# Altium PCB spd150.PcbDoc (part 2 of 16)
Units mm, origin at the board's own origin, x right, y up, seen from the top; angles counter-clockwise.
Board outline 217.35 x 147.5 mm, 10 copper layers (TOP, LYR2-PLN, LYR3-SIG, LYR4-SIG, LYR5-PLN, LYR6-PLN, LYR7-SIG, LYR8-SIG, LYR9-PLN, BOTTOM), stack 2.134 mm thick; 1065 components, 972 nets, 4226 pads, 2810 vias.
Unrouted connection lines stored in the file: 16.
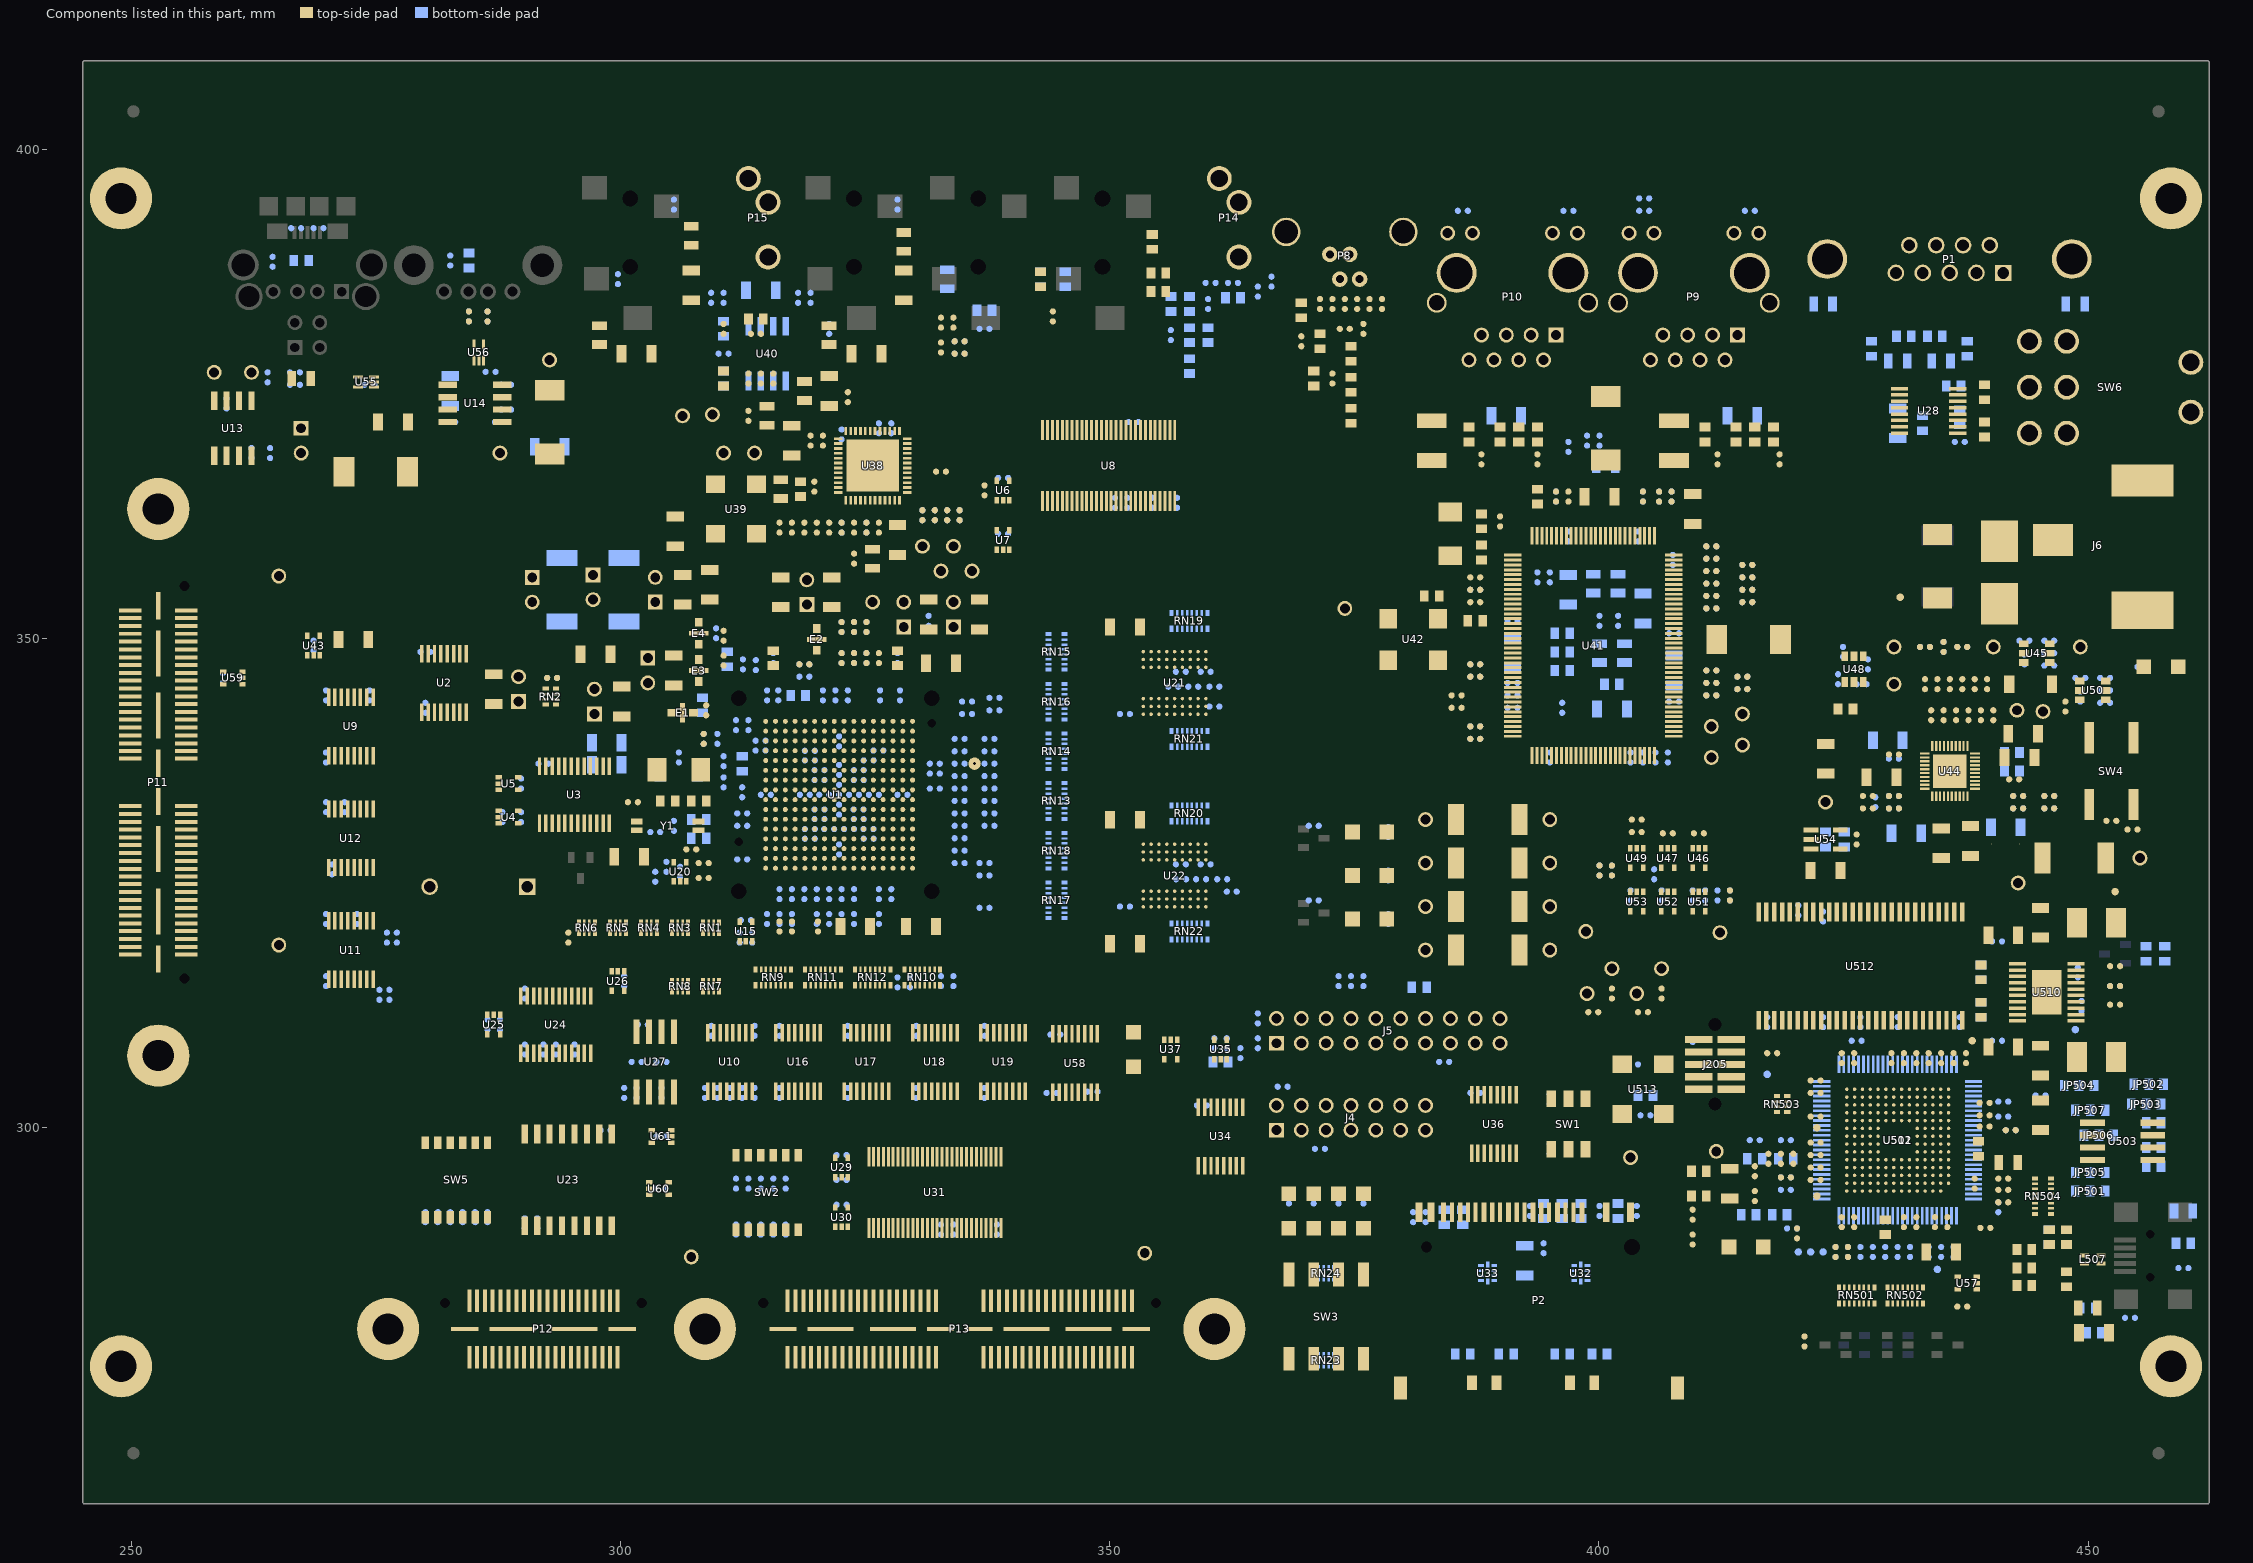
[diagram p10: the components of this part, seen from the top]

## Components (designator, comment, footprint, x,y, rotation, side; value= is the part's Value field where it differs from the comment) (continued)
R274 "RESISTOR_0_R402-25_NO-POP" R402-25#1 404.495,364.49 r90 top
R275 "RESISTOR_0_R402-25_2K" R402-25#1 411.48,358.14 r0 top
R276 "RESISTOR_0_R402-25_NO-POP" R402-25#1 415.163,357.505 r0 top
R277 "RESISTOR_0_R402-25_NO-POP" R402-25#1 411.48,356.87 r0 top
R278 "RESISTOR_0_R402-25_NO-POP" R402-25#1 415.163,356.235 r0 top
R279 "RESISTOR_0_R402-25_NO-POP" R402-25#1 411.48,354.33 r0 top
R280 "RESISTOR_0_R402-25_NO-POP" R402-25#1 414.655,346.075 r0 top
R281 "RESISTOR_0_R402-25_NO-POP" R402-25#1 411.48,345.44 r0 top
R282 "RESISTOR_0_R402-25_NO-POP" R402-25#1 414.655,344.805 r0 top
R283 "RESISTOR_0_R402-25_2K" R402-25#1 387.35,340.995 r180 top
R284 "RESISTOR_0_R402-25_NO-POP" R402-25#1 387.35,339.725 r180 top
R285 "RESISTOR_0_R402-25_NO-POP" R402-25#1 387.35,347.345 r180 top
R286 "RESISTOR_0_R402-25_2K" R402-25#1 387.35,346.075 r180 top
R287 "RESISTOR_0_R402-25_NO-POP" R402-25#1 415.163,353.695 r0 top
R288 "RESISTOR_0_R402-25_NO-POP" R402-25#1 411.48,359.41 r0 top
R289 "RESISTOR_0_R402-25_1K" R402-25#1 387.35,356.235 r0 top
R290 "R_R603-35X45_100" R603-35X45#1 401.32,345.313 r0 bottom
R291 "RESISTOR_0_R402-25_1K" R402-25#2 391.16,344.17 r180 bottom
R292 "RESISTOR_0_R402-25_10K" R402-25#2 396.24,342.9 r270 bottom
R293 "RESISTOR_0_R402-25_1K" R402-25#2 404.495,337.82 r270 bottom
R294 "RESISTOR_0_R402-25_NO-POP" R402-25#2 395.605,364.49 r90 bottom
R295 "RESISTOR_0_R402-25_NO-POP" R402-25#2 396.875,369.57 r90 bottom
R296 "RESISTOR_0_R402-25_NO-POP" R402-25#2 407.416,364.49 r90 bottom
R297 "RESISTOR_0_R402-25_NO-POP" R402-25#2 406.146,364.49 r90 bottom
R298 "RESISTOR_0_R402-25_NO-POP" R402-25#1 395.605,364.49 r90 top
R299 "RESISTOR_0_R402-25_NO-POP" R402-25#1 396.875,364.49 r90 top
R300 "RESISTOR_0_R402-25_NO-POP" R402-25#1 407.416,364.49 r90 top
R301 "RESISTOR_0_R402-25_NO-POP" R402-25#1 406.146,364.49 r90 top
R302 "RESISTOR_0_R402-25_1K" R402-25#2 405.765,337.82 r270 bottom
R303 "RESISTOR_0_R402-25_1K" R402-25#2 407.035,337.82 r270 bottom
R304 "RESISTOR_R603-35X45_49.9" R603-35X45#2 415.925,370.84 r270 top
R305 "RESISTOR_R603-35X45_49.9" R603-35X45#2 417.83,370.84 r270 top
R306 "RESISTOR_R603-35X45_49.9" R603-35X45#2 414.02,370.84 r90 top
R307 "RESISTOR_R603-35X45_49.9" R603-35X45#2 410.845,370.84 r90 top
R308 "RESISTOR_R603-35X45_49.9" R603-35X45#2 391.795,370.84 r270 top
R309 "RESISTOR_R603-35X45_49.9" R603-35X45#2 393.7,370.84 r270 top
R310 "RESISTOR_R603-35X45_49.9" R603-35X45#2 389.89,370.84 r90 top
R311 "RESISTOR_R603-35X45_49.9" R603-35X45#2 386.715,370.84 r90 top
R312 "R_2_R2512_0.025" R2512#2 388.62,322.58 r180 top
R313 "R_2_R2512_0.025" R2512#2 448.564,327.533 r0 top
R314 "R_0_R402-25_NO-POP" R402-25#1 430.149,338.125 r0 top
R315 "R_0_R402-25_1K" R402-25#2 430.149,337.693 r0 bottom
R316 "R_2_R2512_0.025" R2512#2 388.62,318.135 r180 top
R317 "R_0_R402-25_0" R402-25#1 430.149,333.883 r0 top
R318 "R_2_R2512_0.025" R2512#2 388.62,327.025 r0 top
R319 "R_0_R402-25_1K" R402-25#1 430.149,332.613 r0 top
R320 "R_0_R402-25_NO-POP" R402-25#1 427.482,333.883 r0 top
R321 "R_0_R402-25_NO-POP" R402-25#1 427.482,332.613 r0 top
R322 "R_0_R402-25_NO-POP" R402-25#2 428.244,333.248 r270 bottom
R323 "R_2_R2512_0.025" R2512#2 388.62,331.47 r0 top
R324 "R_0_R402-25_NO-POP" R402-25#2 430.149,332.613 r0 bottom
R325 "R_0_R402-25_10K" R402-25#1 433.959,342.138 r270 top
R326 "R_0_R402-25_10K" R402-25#1 433.324,345.313 r270 top
R327 "R_0_R402-25_2K" R402-25#1 438.404,345.313 r270 top
R328 "R_0_R402-25_47K" R402-25#1 437.134,345.313 r270 top
R329 "R_0_R402-25_10K" R402-25#1 435.864,345.313 r270 top
R330 "R_0_R402-25_NO-POP" R402-25#1 440.309,342.138 r90 top
R331 "R_0_R402-25_10K" R402-25#1 446.024,333.883 r180 top
R332 "R_0_R402-25_10K" R402-25#1 446.024,332.613 r180 top
R333 "R_R402-25_0" R402-25#1 385.445,344.17 r0 top
R334 "R_R402-25_NO-POP" R402-25#1 447.675,343.027 r90 top
R335 "R_R402-25_10K" R402-25#1 403.86,331.47 r180 top
R336 "R_0_R402-25_NO-POP" R402-25#2 446.024,333.883 r180 bottom
R337 "R_0_R402-25_NO-POP" R402-25#2 446.024,332.613 r180 bottom
R338 "R_0_R402-25_10K" R402-25#1 439.674,345.313 r270 top
R339 "R_0_R402-25_NO-POP" R402-25#1 442.849,332.613 r180 top
R340 "R_0_R402-25_NO-POP" R402-25#1 442.849,333.883 r180 top
R341 "R_0_R402-25_1K" R402-25#2 442.849,332.613 r180 bottom
R342 "R_0_R402-25_NO-POP" R402-25#1 439.039,342.138 r90 top
R343 "R_R402-25_0" R402-25#1 442.443,335.585 r0 top
R344 "R_0_R402-25_0" R402-25#2 442.849,333.883 r180 bottom
R345 "R_2_R402-25_33" R402-25#1 452.374,331.343 r180 top
R346 "R_2_R402-25_10K" R402-25#2 443.484,349.758 r180 bottom
R347 "R_R402-25_0" R402-25#2 446.024,349.758 r180 bottom
R348 "R_2_R402-25_10K 1%" R402-25#2 446.024,348.488 r180 bottom
R349 "R_2_R402-25_10K" R402-25#2 427.482,347.345 r90 bottom
R350 "R_R603-35X45_4.99K" R603-35X45#2 425.196,342.773 r0 top
R351 "R_2_R402-25_10K 1%" R402-25#2 424.942,348.615 r90 bottom
R352 "R_1_R402-25_33" R402-25#1 401.32,326.263 r270 top
R353 "R_2_R402-25_10K" R402-25#2 449.199,345.948 r180 bottom
R354 "R_1_R402-25_33" R402-25#2 401.32,326.263 r90 bottom
R355 "R_R402-25_20K" R402-25#2 451.739,345.948 r180 bottom
R356 "R_2_R402-25_10K 1%" R402-25#2 451.739,344.678 r180 bottom
R357 "R_1_R402-25_33" R402-25#1 400.05,326.263 r270 top
R358 "R_1_R402-25_33" R402-25#2 400.05,326.263 r90 bottom
R359 "R_R402-25_NO-POP" R402-25#2 433.324,349.123 r180 bottom
R360 "R_R402-25_NO-POP" R402-25#1 437.134,349.123 r180 top
R361 "R_R402-25_NO-POP" R402-25#1 435.229,349.123 r270 top
R362 "R_R402-25_NO-POP" R402-25#2 437.134,349.123 r0 bottom
R363 "R_2_R402-25_2.2K" R402-25#2 412.115,323.723 r90 bottom
R364 "R_R402-25_NO-POP" R402-25#2 435.229,349.123 r90 bottom
R365 "R_R402-25_NO-POP" R402-25#1 433.324,349.123 r0 top
R366 "R_2_R2512_NO-POP" R2512#1 440.944,356.743 r90 bottom
R367 "R_0_R402-25_360" R402-25#2 378.46,330.2 r90 bottom
R368 "R_R402-25_220" R402-25#2 455.549,347.091 r0 bottom
R369 "R_0_R402-25_1K" R402-25#2 370.84,330.835 r0 bottom
R370 "R_0_R402-25_360" R402-25#2 378.46,325.755 r90 bottom
R371 "R_0_R402-25_1K" R402-25#2 370.84,323.215 r0 bottom
R372 "R_R603-35X45_15K 1%" R603-35X45#1 425.069,329.438 r90 bottom
R373 "R_R603-35X45_220K 1%" R603-35X45#1 423.164,329.438 r270 bottom
R374 "R_R402-25_220" R402-25#2 378.46,321.31 r270 bottom
R375 "R_R402-25_24.9 1%" R402-25#1 284.48,382.905 r90 top
R376 "R_R402-25_100" R402-25#2 280.035,290.83 r90 bottom
R377 "R_R402-25_100" R402-25#2 281.305,290.83 r90 bottom
R378 "R_R402-25_100" R402-25#2 282.575,290.83 r90 bottom
R379 "R_R402-25_100" R402-25#2 283.845,290.83 r90 bottom
R380 "R_R402-25_0" R402-25#1 406.4,313.69 r270 top
R381 "R_R402-25_0" R402-25#1 399.415,311.785 r0 top
R382 "R_R402-25_0" R402-25#1 404.495,311.785 r0 top
R383 "R_R402-25_0" R402-25#1 401.32,313.69 r270 top
R384 "R_R402-25_2K" R402-25#2 344.043,303.53 r180 bottom
R385 "R_R402-25_100" R402-25#2 285.115,290.83 r90 bottom
R386 "R_R402-25_100" R402-25#2 286.385,290.83 r90 bottom
R387 "R_R402-25_10K" R402-25#1 454.533,330.454 r180 top
R388 "R_R402-25_0" R402-25#1 403.86,330.2 r180 top
R389 "R_R402-25_0" R402-25#1 385.445,342.9 r0 top
R390 "R_R402-25_0" R402-25#2 366.522,386.461 r270 bottom
R391 "R_R603-35X45_1M" R603-35X45#1 267.335,388.62 r180 bottom
R392 "R_R603-35X45_1M" R603-35X45#1 284.48,388.62 r270 bottom
R393 "R_R402-25_15K" R402-25#2 284.48,382.905 r270 bottom
R394 "R_R402-25_NO-POP" R402-25#2 316.103,344.17 r90 bottom
R395 "R_R402-25_NO-POP" R402-25#2 314.96,344.17 r90 bottom
R396 "R_R402-25_NO-POP" R402-25#2 303.53,325.628 r270 bottom
R504 "R_R603-35X45_24 1%" R603-35X45#2 446.024,288.798 r270 top
R508 "R_R603-35X45_24 1%" R603-35X45#2 443.484,285.623 r0 top
R511 "R_2_R402-25_220" R402-25#2 419.1,293.624 r0 bottom
R514 "R_R402-25_10K" R402-25#2 409.575,308.229 r90 bottom
R525 "R_R603-35X45_NO-POP" R603-35X45#1 419.1,296.799 r0 bottom
R527 "R_R603-35X45_33.2K 1%" R603-35X45#2 439.039,315.849 r270 top
R528 "R_R603-35X45_30.1K 1%" R603-35X45#1 439.039,315.849 r270 bottom
R534 "R_R603-35X45_300K" R603-35X45#1 449.961,281.559 r180 bottom
R535 "R_R603-35X45_680K" R603-35X45#1 450.596,279.019 r0 bottom
R536 "R_R603-35X45_1M" R603-35X45#2 447.802,284.48 r270 top
R537 "R_R603-35X45_1M" R603-35X45#2 447.802,288.798 r90 top
R538 "R_R603-35X45_1.5K 1%" R603-35X45#2 443.484,287.528 r0 top
R539 "R_R603-35X45_1M" R603-35X45#1 459.74,288.163 r0 bottom
R543 "R_R603-35X45_100" R603-35X45#2 429.26,289.814 r270 top
R545 "R_2_R402-25_100K" R402-25#1 418.592,296.799 r90 top
R548 "R_R603-35X45_9.09K 1%" R603-35X45#2 439.039,312.039 r90 top
R549 "R_R603-35X45_30.1K 1%" R603-35X45#1 439.039,312.039 r90 bottom
R550 "R_R402-25_100K" R402-25#2 452.755,314.452 r0 bottom
R551 "R_R402-25_100K" R402-25#2 449.326,312.42 r270 bottom
R552 "R_R402-25_2.2K" R402-25#2 413.639,308.991 r180 bottom
R553 "R_3_R402-25_10K" R402-25#2 448.945,315.849 r90 bottom
R554 "R_4_R603-35X45_1.5K 1%" R603-35X45#1 457.835,317.754 r270 bottom
R555 "R_4_R603-35X45_2.0K 1%" R603-35X45#1 455.93,317.754 r90 bottom
R557 "R_R402-25_100K" R402-25#1 452.755,314.452 r180 top
R590 "R_3_R402-25_10" R402-25#1 415.925,292.989 r90 top
R591 "R_R402-25_33" R402-25#1 436.245,307.086 r270 top
R592 "R_R402-25_33" R402-25#1 434.975,307.086 r270 top
R593 "R_R402-25_33" R402-25#1 433.705,307.086 r270 top
R594 "R_R402-25_33" R402-25#1 437.515,307.086 r270 top
R595 "R_R402-25_33" R402-25#1 442.087,299.72 r0 top
R597 "R_R402-25_100K" R402-25#2 419.735,289.687 r0 bottom
R598 "R_R402-25_100K" R402-25#1 420.243,289.179 r270 top
R599 "R_R402-25_10K" R402-25#2 415.925,298.704 r0 bottom
R600 "R_R402-25_100K" R402-25#1 424.18,287.274 r270 top
R601 "R_R402-25_100K" R402-25#2 425.45,287.274 r90 bottom
R602 "R_R402-25_100K" R402-25#2 436.245,287.274 r90 bottom
R603 "R_R402-25_10K" R402-25#2 434.975,287.274 r90 bottom
R604 "R_R402-25_33" R402-25#2 431.8,287.274 r90 bottom
R605 "R_R402-25_33" R402-25#2 426.72,287.274 r90 bottom
R606 "R_R402-25_33" R402-25#2 427.99,287.274 r90 bottom
R607 "R_R402-25_33" R402-25#2 430.53,287.274 r90 bottom
R608 "R_R402-25_33" R402-25#2 429.26,287.274 r90 bottom
R609 "R_R402-25_33" R402-25#2 424.18,287.274 r90 bottom
R610 "R_R402-25_33" R402-25#1 425.45,287.274 r270 top
R611 "R_2_R603-35X45_100" R603-35X45#1 418.465,291.084 r0 bottom
R612 "R_R402-25_10K" R402-25#2 440.817,291.846 r90 bottom
R613 "R_R402-25_10K" R402-25#2 430.53,310.769 r270 bottom
R614 "RESISTOR_1_R402-25_10K" R402-25#2 426.339,308.864 r180 bottom
R615 "RESISTOR_1_R402-25_10K" R402-25#2 441.325,302.641 r0 bottom
R616 "RESISTOR_1_R402-25_10K" R402-25#2 441.325,301.117 r0 bottom
R617 "R_R402-25_33" R402-25#2 403.479,306.451 r0 bottom
R618 "R_R603-35X45_100" R603-35X45#2 438.785,297.815 r270 top
R619 "R_R402-25_33" R402-25#1 419.1,294.894 r180 top
R620 "R_R402-25_33" R402-25#2 419.1,294.894 r0 bottom
R621 "R_R402-25_10K" R402-25#2 337.693,335.915 r0 bottom
R622 "R_R402-25_10K" R402-25#2 337.693,337.185 r0 bottom
R623 "R_R402-25_10K" R402-25#2 337.693,334.645 r0 bottom
R624 "R_R402-25_10K" R402-25#2 337.693,330.835 r0 bottom
R625 "R_R402-25_10K" R402-25#2 338.201,343.916 r0 bottom
R626 "R_R402-25_10K" R402-25#2 337.693,333.375 r0 bottom
R627 "R_R402-25_10K" R402-25#2 337.693,338.455 r0 bottom
R628 "R_R402-25_10K" R402-25#2 337.693,339.725 r0 bottom
R629 "R_R402-25_10K" R402-25#2 338.201,342.646 r0 bottom
R630 "R_R402-25_10K" R402-25#2 337.693,332.105 r0 bottom
RN1 "R-PAK4_0_RPAK8-10X25-28V_RPACK4" RPAK8-10X25-28V#1 309.253,320.421 r180 top
RN2 "R-PAK4_0_RPAK8-10X25-28V_RPACK4" RPAK8-10X25-28V#1 292.862,344.035 r90 top
RN3 "R-PAK4_0_RPAK8-10X25-28V_RPACK4" RPAK8-10X25-28V#1 306.078,320.421 r180 top
RN4 "R-PAK4_0_RPAK8-10X25-28V_RPACK4" RPAK8-10X25-28V#1 302.903,320.421 r180 top
RN5 "R-PAK4_0_RPAK8-10X25-28V_RPACK4" RPAK8-10X25-28V#1 299.728,320.421 r180 top
RN6 "R-PAK4_0_RPAK8-10X25-28V_RPACK4" RPAK8-10X25-28V#1 296.553,320.421 r180 top
RN7 "R-PAK4_0_RPAK8-10X25-28V_RPACK4" RPAK8-10X25-28V#1 309.253,314.452 r180 top
RN8 "R-PAK4_0_RPAK8-10X25-28V_RPACK4" RPAK8-10X25-28V#1 306.078,314.452 r180 top
RN9 "RESISTOR DIP 8_0_RPAK16-10X25-2" RPAK16-10X25-2HV#1 315.531,315.341 r180 top
RN10 "RESISTOR DIP 8_0_RPAK16-10X25-2" RPAK16-10X25-2HV#1 330.899,315.341 r0 top
RN11 "RESISTOR DIP 8_0_RPAK16-10X25-2" RPAK16-10X25-2HV#1 320.611,315.341 r180 top
RN12 "RESISTOR DIP 8_0_RPAK16-10X25-2" RPAK16-10X25-2HV#1 325.818,315.341 r0 top
RN13 "RESISTOR DIP 8_0_RPAK16-10X25_1" RPAK16-10X25-2HV#2 344.554,333.311 r90 bottom
RN14 "RESISTOR DIP 8_0_RPAK16-10X25-2" RPAK16-10X25-2HV#2 344.554,338.392 r90 bottom
RN15 "RESISTOR DIP 8_0_RPAK16-10X25_1" RPAK16-10X25-2HV#2 344.554,348.551 r90 bottom
RN16 "RESISTOR DIP 8_0_RPAK16-10X25-2" RPAK16-10X25-2HV#2 344.554,343.471 r90 bottom
RN17 "RESISTOR DIP 8_0_RPAK16-10X25_1" RPAK16-10X25-2HV#2 344.554,323.151 r90 bottom
RN18 "RESISTOR DIP 8_0_RPAK16-10X25_1" RPAK16-10X25-2HV#2 344.554,328.231 r90 bottom
RN19 "RESISTOR DIP 8_0_RPAK16-10X25_1" RPAK16-10X25-2HV#2 358.077,351.79 r0 bottom
RN20 "RESISTOR DIP 8_0_RPAK16-10X25_1" RPAK16-10X25-2HV#2 358.077,332.105 r0 bottom
RN21 "RESISTOR DIP 8_0_RPAK16-10X25_1" RPAK16-10X25-2HV#2 358.203,339.725 r180 bottom
RN22 "RESISTOR DIP 8_0_RPAK16-10X25_1" RPAK16-10X25-2HV#2 358.203,320.04 r180 bottom
RN23 "R-PAK4_RPAK8-10X25-28V_RPACK4-1" RPAK8-10X25-28V#2 372.102,276.225 r180 bottom
RN24 "R-PAK4_RPAK8-10X25-28V_RPACK4_1" RPAK8-10X25-28V#2 372.118,285.115 r0 bottom
RN501 "RN8_RPAK16-10X25-2HV_RN10K" RPAK16-10X25-2HV#1 426.402,282.829 r0 top
RN502 "RN8_RPAK16-10X25-2HV_RN10K" RPAK16-10X25-2HV#1 431.356,282.829 r0 top
RN503 "RESISTOR DIP 4_RPAK8-10X25-28V_" RPAK8-10X25-28V#1 418.719,302.395 r270 top
RN504 "RN8_RPAK16-10X25-2HV_10K" RPAK16-10X25-2HV#1 445.389,293.053 r90 top
SW1 "SW - DPDT 5.4X4.2 SLIDE CAS220A" SW6-40X67_GW 396.875,300.355 r0 top
SW2 "DIP_SWITCH_0_SW6-30X50-TDA_DIP_" SW6-30X50-TDA 314.96,293.37 r0 top
SW3 "SW DIP-4_0_SW4-44X96-CTS_LOW PR" SW4-44X96-CTS 372.11,280.67 r0 top
SW4 "EVQ-PLMA15_2_SW-40X126-EVQP1_PU" SW-40X126-EVQP1 452.374,336.423 r0 top
SW5 "DIP_SWITCH_0_SW6-30X50-TDA_DIP_" SW6-30X50-TDA 283.21,294.64 r0 top
SW6 "SWITCH_1_SW-7201-DPDT-10073_SWI" SW-7201-DPDT-10073 458.787,375.666 r270 top
TP1 "TEST POINT_1_TP1-6040_VBUS" TP1-6040 258.445,377.19 r0 top
TP2 "TEST POINT_1_TP1-6040_VBUS_OCN2" TP1-6040 262.255,377.19 r0 top
TP3 "TEST POINT_1_TP1-50X25_EMIFB_CL" TP1-50X25 336.169,337.185 r0 top
TP4 "TEST POINT_1_TP1-6040_VBUS" TP1-6040 292.735,378.46 r0 top
TP5 "TEST POINT_1_TP1-6040_VBUS_OCN1" TP1-6040 287.655,368.935 r0 top
TP6 "TEST POINT_TP1-6040_TEST POINT" TP1-6040 325.755,353.695 r0 top
TP7 "TEST POINT_TP1-6040_TEST POINT" TP1-6040 313.69,368.935 r0 top
TP8 "TEST POINT_TP1-6040_TEST POINT" TP1-6040 310.515,368.935 r0 top
TP9 "TEST POINT_TP1-6040_TEST POINT" TP1-6040 330.835,359.41 r0 top
TP10 "TEST POINT_TP1-6040_TEST POINT" TP1-6040 332.74,356.87 r0 top
TP11 "TEST POINT_TP1-6040_TEST POINT" TP1-6040 334.01,359.41 r0 top
TP12 "TEST POINT_TP1-6040_TEST POINT" TP1-6040 335.915,356.87 r0 top
TP13 "TEST POINT_TP1-6040_TEST POINT" TP1-6040 411.48,337.82 r0 top
TP14 "TEST POINT_TP1-6040_TEST POINT" TP1-6040 414.655,339.09 r0 top
TP15 "TEST POINT_TP1-6040_TEST POINT" TP1-6040 411.48,340.995 r0 top
TP16 "TEST POINT_TP1-6040_TEST POINT" TP1-6040 414.655,342.265 r0 top
TP17 "TEST POINT_0_TP1-6040_TP-60" TP1-6040 394.97,322.58 r0 top
TP18 "TEST POINT_0_TP1-6040_TP-60" TP1-6040 382.27,322.58 r0 top
TP19 "TEST POINT_0_TP1-6040_TP-60" TP1-6040 442.849,324.993 r0 top
TP20 "TEST POINT_0_TP1-6040_TP-60" TP1-6040 455.295,327.533 r0 top
TP21 "TEST POINT_0_TP1-6040_TP-60" TP1-6040 394.97,318.135 r0 top
TP22 "TEST POINT_0_TP1-6040_TP-60" TP1-6040 382.27,318.135 r0 top
TP23 "TEST POINT_0_TP1-6040_TP-60" TP1-6040 382.27,327.025 r90 top
TP24 "TEST POINT_0_TP1-6040_TP-60" TP1-6040 394.97,327.025 r90 top
TP25 "TEST POINT_0_TP1-6040_TP-60" TP1-6040 382.27,331.47 r0 top
TP26 "TEST POINT_0_TP1-6040_TP-60" TP1-6040 394.97,331.47 r0 top
TP27 "TEST POINT_0_TP1-6040_TP-60" TP1-6040 430.149,345.313 r0 top
TP28 "TEST POINT_0_TP1-6040_TP" TP1-6040 442.722,342.646 r0 top
TP29 "TEST POINT_0_TP1-6040_TP" TP1-6040 445.389,342.519 r0 top
TP30 "TESTPOINT1_TP1-6040_TESTPOINT1" TP1-6040 440.309,349.123 r270 top
TP31 "TESTPOINT1_TP1-6040_TESTPOINT1" TP1-6040 430.149,349.123 r180 top
TP32 "TESTPOINT1_TP1-6040_TESTPOINT1" TP1-6040 449.199,349.123 r270 top
TP33 "TEST POINT_0_TP30_TP-30" TP30 430.784,354.203 r0 top
TP34 "TEST POINT_1_TP1-6040_TP" TP1-6040 423.164,333.248 r270 top
TP35 "TEST POINT_TP1-6040_TP" TP1-6040 401.32,316.23 r0 top
TP36 "TEST POINT_TP1-6040_TP" TP1-6040 403.86,313.69 r0 top
TP37 "TEST POINT_TP1-6040_TP" TP1-6040 398.78,313.69 r0 top
TP38 "TEST POINT_TP1-6040_TP" TP1-6040 406.4,316.23 r0 top
TP39 "TEST POINT_TP1-6040_TEST POINT" TP1-6040 306.324,372.745 r0 top
TP40 "TEST POINT_TP1-6040_TEST POINT" TP1-6040 309.372,372.872 r0 top
TP41 "TEST POINT_TP1-6040_TP" TP1-6040 265.049,356.362 r0 top
TP42 "TEST POINT_TP1-6040_TP" TP1-6040 265.049,318.643 r0 top
TP43 "TEST POINT_TP1-6040_TP" TP1-6040 307.213,286.766 r0 top
TP44 "TEST POINT_TP1-6040_TP" TP1-6040 353.568,287.147 r0 top
TP45 "TEST POINT_TP1-6040_TP" TP1-6040 403.225,296.926 r0 top
TP46 "TEST POINT_TP1-6040_TP" TP1-6040 374.015,353.06 r0 top
TP47 "TP_0_TP1-6040_TP" TP1-6040 412.369,319.913 r0 top
TP48 "TP_0_TP1-6040_TP" TP1-6040 398.653,320.04 r0 top
TP507 "PIN_TP30_NO-POP" TP30 434.594,285.496 r180 bottom
TP508 "TP_0_TP30_NO-POP" TP30 438.15,308.864 r180 top
TP513 "TP_0_TP30_NO-POP" TP30 417.195,305.435 r270 bottom
TP514 "TP_0_TP30_NO-POP" TP30 422.275,299.974 r180 top
TP515 "TP_0_TP30_NO-POP" TP30 452.755,324.104 r180 top
TP516 "TP_0_TP30_NO-POP" TP30 448.691,310.007 r270 bottom
TP517 "PIN_TP1-6040_TEST" TP1-6040 411.988,297.561 r180 top
TP518 "PIN_TP30_NO-POP" TP30 421.64,287.274 r180 bottom
TP519 "PIN_TP30_NO-POP" TP30 422.91,287.274 r180 bottom
TP520 "PIN_TP30_NO-POP" TP30 422.275,292.989 r180 top
TP521 "PIN_TP30_NO-POP" TP30 420.37,287.274 r270 bottom
U1 "PRIMUS_BGA_1_SKT256-6064_OMAPL1" SKT256-6064 321.945,334.01 r0 top
U2 "SN74CBT3257PW_TSSOP16-14X70_SN7" TSSOP16-14X70 281.94,345.44 r0 top
U3 "SN74CBTD3384PW_PW24-14X70_SN74C" PW24-14X70 295.275,334.01 r0 top
U4 "1G32NEG_DCK-5_SN74LVC1G32DCKRG4" DCK-5 288.544,331.724 r270 top
U5 "1G00_0_DCK-5_SN74LVC1G00DCKRG4" DCK-5 288.544,335.153 r270 top
U6 "1G08_DCK-5_SN74LVC1G08DCKRG4" DCK-5 339.09,365.125 r0 top
U7 "1G02_0_DCK-5_SN74LVC1G02DCKR" DCK-5 339.09,360.045 r0 top
U8 "SN74CBT16212DGGR_DGG56-12X80_SN" DGG56-12X80 349.885,367.665 r0 top
U9 "SN74CBT3257PW_TSSOP16-14X70_SN7" TSSOP16-14X70 272.415,340.995 r0 top
U10 "SN74CBT3257PW_TSSOP16-14X70_SN7" TSSOP16-14X70 311.15,306.705 r0 top
U11 "SN74CBT3257PW_TSSOP16-14X70_SN7" TSSOP16-14X70 272.415,318.135 r0 top
U12 "74CBTLV253_0_TSSOP16-14X70_74CB" TSSOP16-14X70 272.415,329.565 r0 top
U13 "TPS2061_1_SO8-25X75_TPS2065D" SO8-25X75#1 260.35,371.475 r0 top
U14 "TPS2061_1_SO8-25X75_TPS2065D" SO8-25X75#1 285.115,374.015 r270 top
U15 "SN74LVC1G125_DCK-5_SN74CBTLV1G1" DCK-5 312.801,320.04 r0 top
U16 "SN74CBT3257PW_TSSOP16-14X70_SN7" TSSOP16-14X70 318.135,306.705 r0 top
U17 "SN74CBT3257PW_TSSOP16-14X70_SN7" TSSOP16-14X70 325.12,306.705 r0 top
U18 "SN74CBT3257PW_TSSOP16-14X70_SN7" TSSOP16-14X70 332.105,306.705 r0 top
U19 "74CBTLV253_0_TSSOP16-14X70_74CB" TSSOP16-14X70 339.09,306.705 r0 top
U20 "1G032_DCK-5_SN74LVC1G32" DCK-5 306.07,326.136 r0 top
U21 "IS42S16160B-6BL_0_BGA54-3X9-ISS" BGA54-3X9-ISSI 356.619,345.44 r270 top
U22 "IS42S16160B-6BL_0_BGA54-3X9-ISS" BGA54-3X9-ISSI 356.619,325.755 r270 top
U23 "SPI_EEPROM_0_SO16-25X75-300_W25" SO16-25X75-300 294.64,294.64 r0 top
U24 "SN74CBTD3384PW_PW24-14X70_SN74C" PW24-14X70 293.37,310.515 r0 top
U25 "1G32NEG_DCK-5_SN74LVC1G32DCKRG4" DCK-5 287.02,310.515 r180 top
U26 "1G00_0_DCK-5_SN74LVC1G00DCKRG4" DCK-5 299.72,314.96 r180 top
U27 "24WC256_SO8-25X75-295_24WC256" SO8-25X75-295 303.53,306.705 r0 top

## Text inside footprints (layer, text, board x,y; h text height)
R396: PIN_NUMBER "2" at 303.327,326.136 h0.51 r270; PIN_NUMBER "1" at 303.327,325.12 h0.51 r270; ASSEMBLY_BOTTOM "NO-POP" at 303.53,325.628 h0.64 r270; ASSEMBLY_BOTTOM "TOLERANCE" at 300.99,325.628 h0.64 r270; ASSEMBLY_BOTTOM "USERPART#" at 299.72,325.628 h0.64 r270; SYMBOL_PART_DIM "PAD 35X32 OV" at 298.755,322.504 h0.64 r270; SYMBOL_PART_DIM "C402-35X32" at 300.025,322.504 h0.64 r270; SYMBOL_PART_DIM "0" at 301.396,325.425 h0.64 r270; SYMBOL_PART_DIM "0" at 303.2,323.291 h0.64 r270
R504: PIN_NUMBER "1" at 445.618,289.56 h1.02 r270; PIN_NUMBER "2" at 445.618,288.036 h1.02 r270; ASSEMBLY_TOP "X" at 445.643,287.782 h1.02 r270; ASSEMBLY_TOP "X" at 445.643,288.671 h1.02 r270; ASSEMBLY_TOP "24 1%" at 445.643,289.433 h1.02 r270; SYMB_DIM "0" at 445.516,292.481 h1.02 r270; SYMB_DIM "0" at 442.468,289.306 h1.02 r270; SYMB_DIM "R603-35X45" at 450.85,294.132 h1.02 r270; SYMB_DIM "SP  35X45OV" at 444.627,284.099 h1.02 r270; SYMB_DIM "SM  43X53OV" at 446.405,284.099 h1.02 r270; SYMB_DIM "PAD 35X45OV" at 447.929,284.099 h1.02 r270
R508: PIN_NUMBER "1" at 442.316,285.623 h1.02; PIN_NUMBER "2" at 443.84,285.623 h1.02; ASSEMBLY_TOP "X" at 444.5,285.242 h1.02; ASSEMBLY_TOP "X" at 443.611,285.242 h1.02; ASSEMBLY_TOP "24 1%" at 442.849,285.242 h1.02; SYMB_DIM "0" at 439.801,285.115 h1.02; SYMB_DIM "0" at 442.976,282.067 h1.02; SYMB_DIM "R603-35X45" at 438.15,290.449 h1.02; SYMB_DIM "SP  35X45OV" at 448.183,284.226 h1.02; SYMB_DIM "SM  43X53OV" at 448.183,286.004 h1.02; SYMB_DIM "PAD 35X45OV" at 448.183,287.528 h1.02
R511: PIN_NUMBER "2" at 418.389,293.624 h0.51; PIN_NUMBER "1" at 419.405,293.624 h0.51; ASSEMBLY_BOTTOM "220" at 419.1,293.624 h0.64; ASSEMBLY_BOTTOM "TOLERANCE" at 419.1,291.084 h0.64; ASSEMBLY_BOTTOM "USERPART#" at 419.1,289.814 h0.64; SYMBOL_PART_DIM "PAD 35X32 OV" at 422.224,288.849 h0.64; SYMBOL_PART_DIM "C402-35X32" at 422.224,290.119 h0.64; SYMBOL_PART_DIM "0" at 419.303,291.49 h0.64; SYMBOL_PART_DIM "0" at 421.437,293.294 h0.64
R514: PIN_NUMBER "1" at 409.372,308.737 h0.51 r90; PIN_NUMBER "2" at 409.372,307.721 h0.51 r90; ASSEMBLY_BOTTOM "10K" at 409.575,308.229 h0.64 r90; ASSEMBLY_BOTTOM "TOLERANCE" at 412.115,308.229 h0.64 r90; ASSEMBLY_BOTTOM "USERPART#" at 413.385,308.229 h0.64 r90; SYMBOL_PART_DIM "PAD 35X32 OV" at 414.35,311.353 h0.64 r90; SYMBOL_PART_DIM "C402-35X32" at 413.08,311.353 h0.64 r90; SYMBOL_PART_DIM "0" at 411.709,308.432 h0.64 r90; SYMBOL_PART_DIM "0" at 409.905,310.566 h0.64 r90
R525: PIN_NUMBER "1" at 419.456,296.799 h1.02; PIN_NUMBER "2" at 417.932,296.799 h1.02; SYMB_DIM "0" at 422.783,296.291 h1.02; SYMB_DIM "0" at 419.608,293.243 h1.02; SYMB_DIM "R603-35X45" at 424.434,301.625 h1.02; SYMB_DIM "SP  35X45OV" at 414.401,295.402 h1.02; SYMB_DIM "SM  43X53OV" at 414.401,297.18 h1.02; SYMB_DIM "PAD 35X45OV" at 414.401,298.704 h1.02; ASSEMBLY_BOTTOM "X" at 418.084,296.418 h1.02; ASSEMBLY_BOTTOM "X" at 418.973,296.418 h1.02; ASSEMBLY_BOTTOM "NO-POP" at 419.735,296.418 h1.02
R527: PIN_NUMBER "1" at 438.633,316.611 h1.02 r270; PIN_NUMBER "2" at 438.633,315.087 h1.02 r270; ASSEMBLY_TOP "X" at 438.658,314.833 h1.02 r270; ASSEMBLY_TOP "X" at 438.658,315.722 h1.02 r270; ASSEMBLY_TOP "33.2K 1%" at 438.658,316.484 h1.02 r270; SYMB_DIM "0" at 438.531,319.532 h1.02 r270; SYMB_DIM "0" at 435.483,316.357 h1.02 r270; SYMB_DIM "R603-35X45" at 443.865,321.183 h1.02 r270; SYMB_DIM "SP  35X45OV" at 437.642,311.15 h1.02 r270; SYMB_DIM "SM  43X53OV" at 439.42,311.15 h1.02 r270; SYMB_DIM "PAD 35X45OV" at 440.944,311.15 h1.02 r270
R528: PIN_NUMBER "1" at 438.633,315.087 h1.02 r270; PIN_NUMBER "2" at 438.633,316.611 h1.02 r270; SYMB_DIM "0" at 438.531,312.166 h1.02 r270; SYMB_DIM "0" at 435.483,315.341 h1.02 r270; SYMB_DIM "R603-35X45" at 443.865,310.515 h1.02 r270; SYMB_DIM "SP  35X45OV" at 437.642,320.548 h1.02 r270; SYMB_DIM "SM  43X53OV" at 439.42,320.548 h1.02 r270; SYMB_DIM "PAD 35X45OV" at 440.944,320.548 h1.02 r270; ASSEMBLY_BOTTOM "X" at 438.658,316.865 h1.02 r270; ASSEMBLY_BOTTOM "X" at 438.658,315.976 h1.02 r270; ASSEMBLY_BOTTOM "30.1K 1%" at 438.658,315.214 h1.02 r270
R534: PIN_NUMBER "2" at 450.317,281.559 h1.02 r180; PIN_NUMBER "1" at 448.793,281.559 h1.02 r180; SYMB_DIM "0" at 446.278,282.067 h1.02 r180; SYMB_DIM "0" at 449.453,285.115 h1.02 r180; SYMB_DIM "R603-35X45" at 444.627,276.733 h1.02 r180; SYMB_DIM "SP  35X45OV" at 454.66,282.956 h1.02 r180; SYMB_DIM "SM  43X53OV" at 454.66,281.178 h1.02 r180; SYMB_DIM "PAD 35X45OV" at 454.66,279.654 h1.02 r180; ASSEMBLY_BOTTOM "X" at 450.977,281.94 h1.02 r180; ASSEMBLY_BOTTOM "X" at 450.088,281.94 h1.02 r180; ASSEMBLY_BOTTOM "300K" at 449.326,281.94 h1.02 r180
R535: PIN_NUMBER "1" at 450.952,279.019 h1.02; PIN_NUMBER "2" at 449.428,279.019 h1.02; SYMB_DIM "0" at 454.279,278.511 h1.02; SYMB_DIM "0" at 451.104,275.463 h1.02; SYMB_DIM "R603-35X45" at 455.93,283.845 h1.02; SYMB_DIM "SP  35X45OV" at 445.897,277.622 h1.02; SYMB_DIM "SM  43X53OV" at 445.897,279.4 h1.02; SYMB_DIM "PAD 35X45OV" at 445.897,280.924 h1.02; ASSEMBLY_BOTTOM "X" at 449.58,278.638 h1.02; ASSEMBLY_BOTTOM "X" at 450.469,278.638 h1.02; ASSEMBLY_BOTTOM "680K" at 451.231,278.638 h1.02
R536: PIN_NUMBER "1" at 447.396,285.242 h1.02 r270; PIN_NUMBER "2" at 447.396,283.718 h1.02 r270; ASSEMBLY_TOP "X" at 447.421,283.464 h1.02 r270; ASSEMBLY_TOP "X" at 447.421,284.353 h1.02 r270; ASSEMBLY_TOP "1M" at 447.421,285.115 h1.02 r270; SYMB_DIM "0" at 447.294,288.163 h1.02 r270; SYMB_DIM "0" at 444.246,284.988 h1.02 r270; SYMB_DIM "R603-35X45" at 452.628,289.814 h1.02 r270; SYMB_DIM "SP  35X45OV" at 446.405,279.781 h1.02 r270; SYMB_DIM "SM  43X53OV" at 448.183,279.781 h1.02 r270; SYMB_DIM "PAD 35X45OV" at 449.707,279.781 h1.02 r270
R537: PIN_NUMBER "1" at 447.396,288.036 h1.02 r90; PIN_NUMBER "2" at 447.396,289.56 h1.02 r90; ASSEMBLY_TOP "X" at 448.183,289.814 h1.02 r90; ASSEMBLY_TOP "X" at 448.183,288.925 h1.02 r90; ASSEMBLY_TOP "1M" at 448.183,288.163 h1.02 r90; SYMB_DIM "0" at 448.31,285.115 h1.02 r90; SYMB_DIM "0" at 451.358,288.29 h1.02 r90; SYMB_DIM "R603-35X45" at 442.976,283.464 h1.02 r90; SYMB_DIM "SP  35X45OV" at 449.199,293.497 h1.02 r90; SYMB_DIM "SM  43X53OV" at 447.421,293.497 h1.02 r90; SYMB_DIM "PAD 35X45OV" at 445.897,293.497 h1.02 r90
R538: PIN_NUMBER "1" at 442.316,287.528 h1.02; PIN_NUMBER "2" at 443.84,287.528 h1.02; ASSEMBLY_TOP "X" at 444.5,287.147 h1.02; ASSEMBLY_TOP "X" at 443.611,287.147 h1.02; ASSEMBLY_TOP "1.5K 1%" at 442.849,287.147 h1.02; SYMB_DIM "0" at 439.801,287.02 h1.02; SYMB_DIM "0" at 442.976,283.972 h1.02; SYMB_DIM "R603-35X45" at 438.15,292.354 h1.02; SYMB_DIM "SP  35X45OV" at 448.183,286.131 h1.02; SYMB_DIM "SM  43X53OV" at 448.183,287.909 h1.02; SYMB_DIM "PAD 35X45OV" at 448.183,289.433 h1.02
R539: PIN_NUMBER "1" at 460.096,288.163 h1.02; PIN_NUMBER "2" at 458.572,288.163 h1.02; SYMB_DIM "0" at 463.423,287.655 h1.02; SYMB_DIM "0" at 460.248,284.607 h1.02; SYMB_DIM "R603-35X45" at 465.074,292.989 h1.02; SYMB_DIM "SP  35X45OV" at 455.041,286.766 h1.02; SYMB_DIM "SM  43X53OV" at 455.041,288.544 h1.02; SYMB_DIM "PAD 35X45OV" at 455.041,290.068 h1.02; ASSEMBLY_BOTTOM "X" at 458.724,287.782 h1.02; ASSEMBLY_BOTTOM "X" at 459.613,287.782 h1.02; ASSEMBLY_BOTTOM "1M" at 460.375,287.782 h1.02
R543: PIN_NUMBER "2" at 428.854,289.052 h1.02 r270; PIN_NUMBER "1" at 428.854,290.576 h1.02 r270; ASSEMBLY_TOP "X" at 428.879,288.798 h1.02 r270; ASSEMBLY_TOP "X" at 428.879,289.687 h1.02 r270; ASSEMBLY_TOP "100" at 428.879,290.449 h1.02 r270; SYMB_DIM "0" at 428.752,293.497 h1.02 r270; SYMB_DIM "0" at 425.704,290.322 h1.02 r270; SYMB_DIM "R603-35X45" at 434.086,295.148 h1.02 r270; SYMB_DIM "SP  35X45OV" at 427.863,285.115 h1.02 r270; SYMB_DIM "SM  43X53OV" at 429.641,285.115 h1.02 r270; SYMB_DIM "PAD 35X45OV" at 431.165,285.115 h1.02 r270
R545: PIN_NUMBER "1" at 418.389,296.291 h0.51 r90; PIN_NUMBER "2" at 418.389,297.307 h0.51 r90; ASSEMBLY_TOP "100K" at 418.592,296.799 h0.64 r90; ASSEMBLY_TOP "TOLERANCE" at 421.132,296.799 h0.64 r90; ASSEMBLY_TOP "USERPART#" at 422.402,296.799 h0.64 r90; SYMBOL_PART_DIM "PAD 35X32 OV" at 423.367,293.675 h0.64 r90; SYMBOL_PART_DIM "C402-35X32" at 422.097,293.675 h0.64 r90; SYMBOL_PART_DIM "0" at 420.726,296.596 h0.64 r90; SYMBOL_PART_DIM "0" at 418.922,294.462 h0.64 r90
R548: PIN_NUMBER "1" at 438.633,311.277 h1.02 r90; PIN_NUMBER "2" at 438.633,312.801 h1.02 r90; ASSEMBLY_TOP "X" at 439.42,313.055 h1.02 r90; ASSEMBLY_TOP "X" at 439.42,312.166 h1.02 r90; ASSEMBLY_TOP "9.09K 1%" at 439.42,311.404 h1.02 r90; SYMB_DIM "0" at 439.547,308.356 h1.02 r90; SYMB_DIM "0" at 442.595,311.531 h1.02 r90; SYMB_DIM "R603-35X45" at 434.213,306.705 h1.02 r90; SYMB_DIM "SP  35X45OV" at 440.436,316.738 h1.02 r90; SYMB_DIM "SM  43X53OV" at 438.658,316.738 h1.02 r90; SYMB_DIM "PAD 35X45OV" at 437.134,316.738 h1.02 r90
R549: PIN_NUMBER "1" at 438.633,312.801 h1.02 r90; PIN_NUMBER "2" at 438.633,311.277 h1.02 r90; SYMB_DIM "0" at 439.547,315.722 h1.02 r90; SYMB_DIM "0" at 442.595,312.547 h1.02 r90; SYMB_DIM "R603-35X45" at 434.213,317.373 h1.02 r90; SYMB_DIM "SP  35X45OV" at 440.436,307.34 h1.02 r90; SYMB_DIM "SM  43X53OV" at 438.658,307.34 h1.02 r90; SYMB_DIM "PAD 35X45OV" at 437.134,307.34 h1.02 r90; ASSEMBLY_BOTTOM "X" at 439.42,311.023 h1.02 r90; ASSEMBLY_BOTTOM "X" at 439.42,311.912 h1.02 r90; ASSEMBLY_BOTTOM "30.1K 1%" at 439.42,312.674 h1.02 r90
R550: PIN_NUMBER "1" at 453.06,314.452 h0.51; PIN_NUMBER "2" at 452.044,314.452 h0.51; ASSEMBLY_BOTTOM "100K" at 452.755,314.452 h0.64; ASSEMBLY_BOTTOM "TOLERANCE" at 452.755,311.912 h0.64; ASSEMBLY_BOTTOM "USERPART#" at 452.755,310.642 h0.64; SYMBOL_PART_DIM "PAD 35X32 OV" at 455.879,309.677 h0.64; SYMBOL_PART_DIM "C402-35X32" at 455.879,310.947 h0.64; SYMBOL_PART_DIM "0" at 452.958,312.318 h0.64; SYMBOL_PART_DIM "0" at 455.092,314.122 h0.64
R551: PIN_NUMBER "1" at 449.123,311.912 h0.51 r270; PIN_NUMBER "2" at 449.123,312.928 h0.51 r270; ASSEMBLY_BOTTOM "100K" at 449.326,312.42 h0.64 r270; ASSEMBLY_BOTTOM "TOLERANCE" at 446.786,312.42 h0.64 r270; ASSEMBLY_BOTTOM "USERPART#" at 445.516,312.42 h0.64 r270; SYMBOL_PART_DIM "PAD 35X32 OV" at 444.551,309.296 h0.64 r270; SYMBOL_PART_DIM "C402-35X32" at 445.821,309.296 h0.64 r270; SYMBOL_PART_DIM "0" at 447.192,312.217 h0.64 r270; SYMBOL_PART_DIM "0" at 448.996,310.083 h0.64 r270
R552: PIN_NUMBER "2" at 413.944,308.991 h0.51 r180; PIN_NUMBER "1" at 412.928,308.991 h0.51 r180; ASSEMBLY_BOTTOM "2.2K" at 413.639,308.991 h0.64 r180; ASSEMBLY_BOTTOM "TOLERANCE" at 413.639,311.531 h0.64 r180; ASSEMBLY_BOTTOM "USERPART#" at 413.639,312.801 h0.64 r180; SYMBOL_PART_DIM "PAD 35X32 OV" at 410.515,313.766 h0.64 r180; SYMBOL_PART_DIM "C402-35X32" at 410.515,312.496 h0.64 r180; SYMBOL_PART_DIM "0" at 413.436,311.125 h0.64 r180; SYMBOL_PART_DIM "0" at 411.302,309.321 h0.64 r180
R553: PIN_NUMBER "2" at 448.742,315.341 h0.51 r90; PIN_NUMBER "1" at 448.742,316.357 h0.51 r90; ASSEMBLY_BOTTOM "10K" at 448.945,315.849 h0.64 r90; ASSEMBLY_BOTTOM "TOLERANCE" at 451.485,315.849 h0.64 r90; ASSEMBLY_BOTTOM "USERPART#" at 452.755,315.849 h0.64 r90; SYMBOL_PART_DIM "PAD 35X32 OV" at 453.72,318.973 h0.64 r90; SYMBOL_PART_DIM "C402-35X32" at 452.45,318.973 h0.64 r90; SYMBOL_PART_DIM "0" at 451.079,316.052 h0.64 r90; SYMBOL_PART_DIM "0" at 449.275,318.186 h0.64 r90
R554: PIN_NUMBER "1" at 457.429,316.992 h1.02 r270; PIN_NUMBER "2" at 457.429,318.516 h1.02 r270; SYMB_DIM "0" at 457.327,314.071 h1.02 r270; SYMB_DIM "0" at 454.279,317.246 h1.02 r270; SYMB_DIM "R603-35X45" at 462.661,312.42 h1.02 r270; SYMB_DIM "SP  35X45OV" at 456.438,322.453 h1.02 r270; SYMB_DIM "SM  43X53OV" at 458.216,322.453 h1.02 r270; SYMB_DIM "PAD 35X45OV" at 459.74,322.453 h1.02 r270; ASSEMBLY_BOTTOM "X" at 457.454,318.77 h1.02 r270; ASSEMBLY_BOTTOM "X" at 457.454,317.881 h1.02 r270; ASSEMBLY_BOTTOM "1.5K 1%" at 457.454,317.119 h1.02 r270
R555: PIN_NUMBER "1" at 455.524,318.516 h1.02 r90; PIN_NUMBER "2" at 455.524,316.992 h1.02 r90; SYMB_DIM "0" at 456.438,321.437 h1.02 r90; SYMB_DIM "0" at 459.486,318.262 h1.02 r90; SYMB_DIM "R603-35X45" at 451.104,323.088 h1.02 r90; SYMB_DIM "SP  35X45OV" at 457.327,313.055 h1.02 r90; SYMB_DIM "SM  43X53OV" at 455.549,313.055 h1.02 r90; SYMB_DIM "PAD 35X45OV" at 454.025,313.055 h1.02 r90; ASSEMBLY_BOTTOM "X" at 456.311,316.738 h1.02 r90; ASSEMBLY_BOTTOM "X" at 456.311,317.627 h1.02 r90; ASSEMBLY_BOTTOM "2.0K 1%" at 456.311,318.389 h1.02 r90
R557: PIN_NUMBER "1" at 453.06,314.452 h0.51 r180; PIN_NUMBER "2" at 452.044,314.452 h0.51 r180; ASSEMBLY_TOP "100K" at 452.755,314.452 h0.64 r180; ASSEMBLY_TOP "TOLERANCE" at 452.755,316.992 h0.64 r180; ASSEMBLY_TOP "USERPART#" at 452.755,318.262 h0.64 r180; SYMBOL_PART_DIM "PAD 35X32 OV" at 455.879,319.227 h0.64 r180; SYMBOL_PART_DIM "C402-35X32" at 455.879,317.957 h0.64 r180; SYMBOL_PART_DIM "0" at 452.958,316.586 h0.64 r180; SYMBOL_PART_DIM "0" at 455.092,314.782 h0.64 r180
R590: PIN_NUMBER "2" at 415.722,293.497 h0.51 r90; PIN_NUMBER "1" at 415.722,292.481 h0.51 r90; ASSEMBLY_TOP "10" at 415.925,292.989 h0.64 r90; ASSEMBLY_TOP "TOLERANCE" at 418.465,292.989 h0.64 r90; ASSEMBLY_TOP "USERPART#" at 419.735,292.989 h0.64 r90; SYMBOL_PART_DIM "PAD 35X32 OV" at 420.7,289.865 h0.64 r90; SYMBOL_PART_DIM "C402-35X32" at 419.43,289.865 h0.64 r90; SYMBOL_PART_DIM "0" at 418.059,292.786 h0.64 r90; SYMBOL_PART_DIM "0" at 416.255,290.652 h0.64 r90
R591: PIN_NUMBER "2" at 436.042,306.578 h0.51 r270; PIN_NUMBER "1" at 436.042,307.594 h0.51 r270; ASSEMBLY_TOP "33" at 436.245,307.086 h0.64 r270; ASSEMBLY_TOP "TOLERANCE" at 433.705,307.086 h0.64 r270; ASSEMBLY_TOP "USERPART#" at 432.435,307.086 h0.64 r270; SYMBOL_PART_DIM "PAD 35X32 OV" at 431.47,310.21 h0.64 r270; SYMBOL_PART_DIM "C402-35X32" at 432.74,310.21 h0.64 r270; SYMBOL_PART_DIM "0" at 434.111,307.289 h0.64 r270; SYMBOL_PART_DIM "0" at 435.915,309.423 h0.64 r270
R592: PIN_NUMBER "1" at 434.772,307.594 h0.51 r270; PIN_NUMBER "2" at 434.772,306.578 h0.51 r270; ASSEMBLY_TOP "33" at 434.975,307.086 h0.64 r270; ASSEMBLY_TOP "TOLERANCE" at 432.435,307.086 h0.64 r270; ASSEMBLY_TOP "USERPART#" at 431.165,307.086 h0.64 r270; SYMBOL_PART_DIM "PAD 35X32 OV" at 430.2,310.21 h0.64 r270; SYMBOL_PART_DIM "C402-35X32" at 431.47,310.21 h0.64 r270; SYMBOL_PART_DIM "0" at 432.841,307.289 h0.64 r270; SYMBOL_PART_DIM "0" at 434.645,309.423 h0.64 r270
R593: PIN_NUMBER "1" at 433.502,307.594 h0.51 r270; PIN_NUMBER "2" at 433.502,306.578 h0.51 r270; ASSEMBLY_TOP "33" at 433.705,307.086 h0.64 r270; ASSEMBLY_TOP "TOLERANCE" at 431.165,307.086 h0.64 r270; ASSEMBLY_TOP "USERPART#" at 429.895,307.086 h0.64 r270; SYMBOL_PART_DIM "PAD 35X32 OV" at 428.93,310.21 h0.64 r270; SYMBOL_PART_DIM "C402-35X32" at 430.2,310.21 h0.64 r270; SYMBOL_PART_DIM "0" at 431.571,307.289 h0.64 r270; SYMBOL_PART_DIM "0" at 433.375,309.423 h0.64 r270
R594: PIN_NUMBER "2" at 437.312,306.578 h0.51 r270; PIN_NUMBER "1" at 437.312,307.594 h0.51 r270; ASSEMBLY_TOP "33" at 437.515,307.086 h0.64 r270; ASSEMBLY_TOP "TOLERANCE" at 434.975,307.086 h0.64 r270; ASSEMBLY_TOP "USERPART#" at 433.705,307.086 h0.64 r270; SYMBOL_PART_DIM "PAD 35X32 OV" at 432.74,310.21 h0.64 r270; SYMBOL_PART_DIM "C402-35X32" at 434.01,310.21 h0.64 r270; SYMBOL_PART_DIM "0" at 435.381,307.289 h0.64 r270; SYMBOL_PART_DIM "0" at 437.185,309.423 h0.64 r270
R595: PIN_NUMBER "1" at 441.376,299.72 h0.51; PIN_NUMBER "2" at 442.392,299.72 h0.51; ASSEMBLY_TOP "33" at 442.087,299.72 h0.64; ASSEMBLY_TOP "TOLERANCE" at 442.087,297.18 h0.64; ASSEMBLY_TOP "USERPART#" at 442.087,295.91 h0.64; SYMBOL_PART_DIM "PAD 35X32 OV" at 438.963,294.945 h0.64; SYMBOL_PART_DIM "C402-35X32" at 438.963,296.215 h0.64; SYMBOL_PART_DIM "0" at 441.884,297.586 h0.64; SYMBOL_PART_DIM "0" at 439.75,299.39 h0.64
R597: PIN_NUMBER "2" at 419.024,289.687 h0.51; PIN_NUMBER "1" at 420.04,289.687 h0.51; ASSEMBLY_BOTTOM "100K" at 419.735,289.687 h0.64; ASSEMBLY_BOTTOM "TOLERANCE" at 419.735,287.147 h0.64; ASSEMBLY_BOTTOM "USERPART#" at 419.735,285.877 h0.64; SYMBOL_PART_DIM "PAD 35X32 OV" at 422.859,284.912 h0.64; SYMBOL_PART_DIM "C402-35X32" at 422.859,286.182 h0.64; SYMBOL_PART_DIM "0" at 419.938,287.553 h0.64; SYMBOL_PART_DIM "0" at 422.072,289.357 h0.64
R598: PIN_NUMBER "2" at 420.04,288.671 h0.51 r270; PIN_NUMBER "1" at 420.04,289.687 h0.51 r270; ASSEMBLY_TOP "100K" at 420.243,289.179 h0.64 r270; ASSEMBLY_TOP "TOLERANCE" at 417.703,289.179 h0.64 r270; ASSEMBLY_TOP "USERPART#" at 416.433,289.179 h0.64 r270; SYMBOL_PART_DIM "PAD 35X32 OV" at 415.468,292.303 h0.64 r270; SYMBOL_PART_DIM "C402-35X32" at 416.738,292.303 h0.64 r270; SYMBOL_PART_DIM "0" at 418.109,289.382 h0.64 r270; SYMBOL_PART_DIM "0" at 419.913,291.516 h0.64 r270
R599: PIN_NUMBER "1" at 416.23,298.704 h0.51; PIN_NUMBER "2" at 415.214,298.704 h0.51; ASSEMBLY_BOTTOM "10K" at 415.925,298.704 h0.64; ASSEMBLY_BOTTOM "TOLERANCE" at 415.925,296.164 h0.64; ASSEMBLY_BOTTOM "USERPART#" at 415.925,294.894 h0.64; SYMBOL_PART_DIM "PAD 35X32 OV" at 419.049,293.929 h0.64; SYMBOL_PART_DIM "C402-35X32" at 419.049,295.199 h0.64; SYMBOL_PART_DIM "0" at 416.128,296.57 h0.64; SYMBOL_PART_DIM "0" at 418.262,298.374 h0.64
R600: PIN_NUMBER "2" at 423.977,286.766 h0.51 r270; PIN_NUMBER "1" at 423.977,287.782 h0.51 r270; ASSEMBLY_TOP "100K" at 424.18,287.274 h0.64 r270; ASSEMBLY_TOP "TOLERANCE" at 421.64,287.274 h0.64 r270; ASSEMBLY_TOP "USERPART#" at 420.37,287.274 h0.64 r270; SYMBOL_PART_DIM "PAD 35X32 OV" at 419.405,290.398 h0.64 r270; SYMBOL_PART_DIM "C402-35X32" at 420.675,290.398 h0.64 r270; SYMBOL_PART_DIM "0" at 422.046,287.477 h0.64 r270; SYMBOL_PART_DIM "0" at 423.85,289.611 h0.64 r270
R601: PIN_NUMBER "2" at 425.247,286.766 h0.51 r90; PIN_NUMBER "1" at 425.247,287.782 h0.51 r90; ASSEMBLY_BOTTOM "100K" at 425.45,287.274 h0.64 r90; ASSEMBLY_BOTTOM "TOLERANCE" at 427.99,287.274 h0.64 r90; ASSEMBLY_BOTTOM "USERPART#" at 429.26,287.274 h0.64 r90; SYMBOL_PART_DIM "PAD 35X32 OV" at 430.225,290.398 h0.64 r90; SYMBOL_PART_DIM "C402-35X32" at 428.955,290.398 h0.64 r90; SYMBOL_PART_DIM "0" at 427.584,287.477 h0.64 r90; SYMBOL_PART_DIM "0" at 425.78,289.611 h0.64 r90
R602: PIN_NUMBER "2" at 436.042,286.766 h0.51 r90; PIN_NUMBER "1" at 436.042,287.782 h0.51 r90; ASSEMBLY_BOTTOM "100K" at 436.245,287.274 h0.64 r90; ASSEMBLY_BOTTOM "TOLERANCE" at 438.785,287.274 h0.64 r90; ASSEMBLY_BOTTOM "USERPART#" at 440.055,287.274 h0.64 r90; SYMBOL_PART_DIM "PAD 35X32 OV" at 441.02,290.398 h0.64 r90; SYMBOL_PART_DIM "C402-35X32" at 439.75,290.398 h0.64 r90; SYMBOL_PART_DIM "0" at 438.379,287.477 h0.64 r90; SYMBOL_PART_DIM "0" at 436.575,289.611 h0.64 r90
R603: PIN_NUMBER "1" at 434.772,287.782 h0.51 r90; PIN_NUMBER "2" at 434.772,286.766 h0.51 r90; ASSEMBLY_BOTTOM "10K" at 434.975,287.274 h0.64 r90; ASSEMBLY_BOTTOM "TOLERANCE" at 437.515,287.274 h0.64 r90; ASSEMBLY_BOTTOM "USERPART#" at 438.785,287.274 h0.64 r90; SYMBOL_PART_DIM "PAD 35X32 OV" at 439.75,290.398 h0.64 r90; SYMBOL_PART_DIM "C402-35X32" at 438.48,290.398 h0.64 r90; SYMBOL_PART_DIM "0" at 437.109,287.477 h0.64 r90; SYMBOL_PART_DIM "0" at 435.305,289.611 h0.64 r90
R604: PIN_NUMBER "2" at 431.597,286.766 h0.51 r90; PIN_NUMBER "1" at 431.597,287.782 h0.51 r90; ASSEMBLY_BOTTOM "33" at 431.8,287.274 h0.64 r90; ASSEMBLY_BOTTOM "TOLERANCE" at 434.34,287.274 h0.64 r90; ASSEMBLY_BOTTOM "USERPART#" at 435.61,287.274 h0.64 r90; SYMBOL_PART_DIM "PAD 35X32 OV" at 436.575,290.398 h0.64 r90; SYMBOL_PART_DIM "C402-35X32" at 435.305,290.398 h0.64 r90; SYMBOL_PART_DIM "0" at 433.934,287.477 h0.64 r90; SYMBOL_PART_DIM "0" at 432.13,289.611 h0.64 r90
R605: PIN_NUMBER "2" at 426.517,286.766 h0.51 r90; PIN_NUMBER "1" at 426.517,287.782 h0.51 r90; ASSEMBLY_BOTTOM "33" at 426.72,287.274 h0.64 r90; ASSEMBLY_BOTTOM "TOLERANCE" at 429.26,287.274 h0.64 r90; ASSEMBLY_BOTTOM "USERPART#" at 430.53,287.274 h0.64 r90; SYMBOL_PART_DIM "PAD 35X32 OV" at 431.495,290.398 h0.64 r90; SYMBOL_PART_DIM "C402-35X32" at 430.225,290.398 h0.64 r90; SYMBOL_PART_DIM "0" at 428.854,287.477 h0.64 r90; SYMBOL_PART_DIM "0" at 427.05,289.611 h0.64 r90
R606: PIN_NUMBER "2" at 427.787,286.766 h0.51 r90; PIN_NUMBER "1" at 427.787,287.782 h0.51 r90; ASSEMBLY_BOTTOM "33" at 427.99,287.274 h0.64 r90; ASSEMBLY_BOTTOM "TOLERANCE" at 430.53,287.274 h0.64 r90; ASSEMBLY_BOTTOM "USERPART#" at 431.8,287.274 h0.64 r90; SYMBOL_PART_DIM "PAD 35X32 OV" at 432.765,290.398 h0.64 r90; SYMBOL_PART_DIM "C402-35X32" at 431.495,290.398 h0.64 r90; SYMBOL_PART_DIM "0" at 430.124,287.477 h0.64 r90; SYMBOL_PART_DIM "0" at 428.32,289.611 h0.64 r90
R607: PIN_NUMBER "2" at 430.327,286.766 h0.51 r90; PIN_NUMBER "1" at 430.327,287.782 h0.51 r90; ASSEMBLY_BOTTOM "33" at 430.53,287.274 h0.64 r90; ASSEMBLY_BOTTOM "TOLERANCE" at 433.07,287.274 h0.64 r90; ASSEMBLY_BOTTOM "USERPART#" at 434.34,287.274 h0.64 r90; SYMBOL_PART_DIM "PAD 35X32 OV" at 435.305,290.398 h0.64 r90; SYMBOL_PART_DIM "C402-35X32" at 434.035,290.398 h0.64 r90; SYMBOL_PART_DIM "0" at 432.664,287.477 h0.64 r90; SYMBOL_PART_DIM "0" at 430.86,289.611 h0.64 r90
R608: PIN_NUMBER "2" at 429.057,286.766 h0.51 r90; PIN_NUMBER "1" at 429.057,287.782 h0.51 r90; ASSEMBLY_BOTTOM "33" at 429.26,287.274 h0.64 r90; ASSEMBLY_BOTTOM "TOLERANCE" at 431.8,287.274 h0.64 r90; ASSEMBLY_BOTTOM "USERPART#" at 433.07,287.274 h0.64 r90; SYMBOL_PART_DIM "PAD 35X32 OV" at 434.035,290.398 h0.64 r90; SYMBOL_PART_DIM "C402-35X32" at 432.765,290.398 h0.64 r90; SYMBOL_PART_DIM "0" at 431.394,287.477 h0.64 r90; SYMBOL_PART_DIM "0" at 429.59,289.611 h0.64 r90